# KiCad board frank_pga.kicad_pcb (continued)
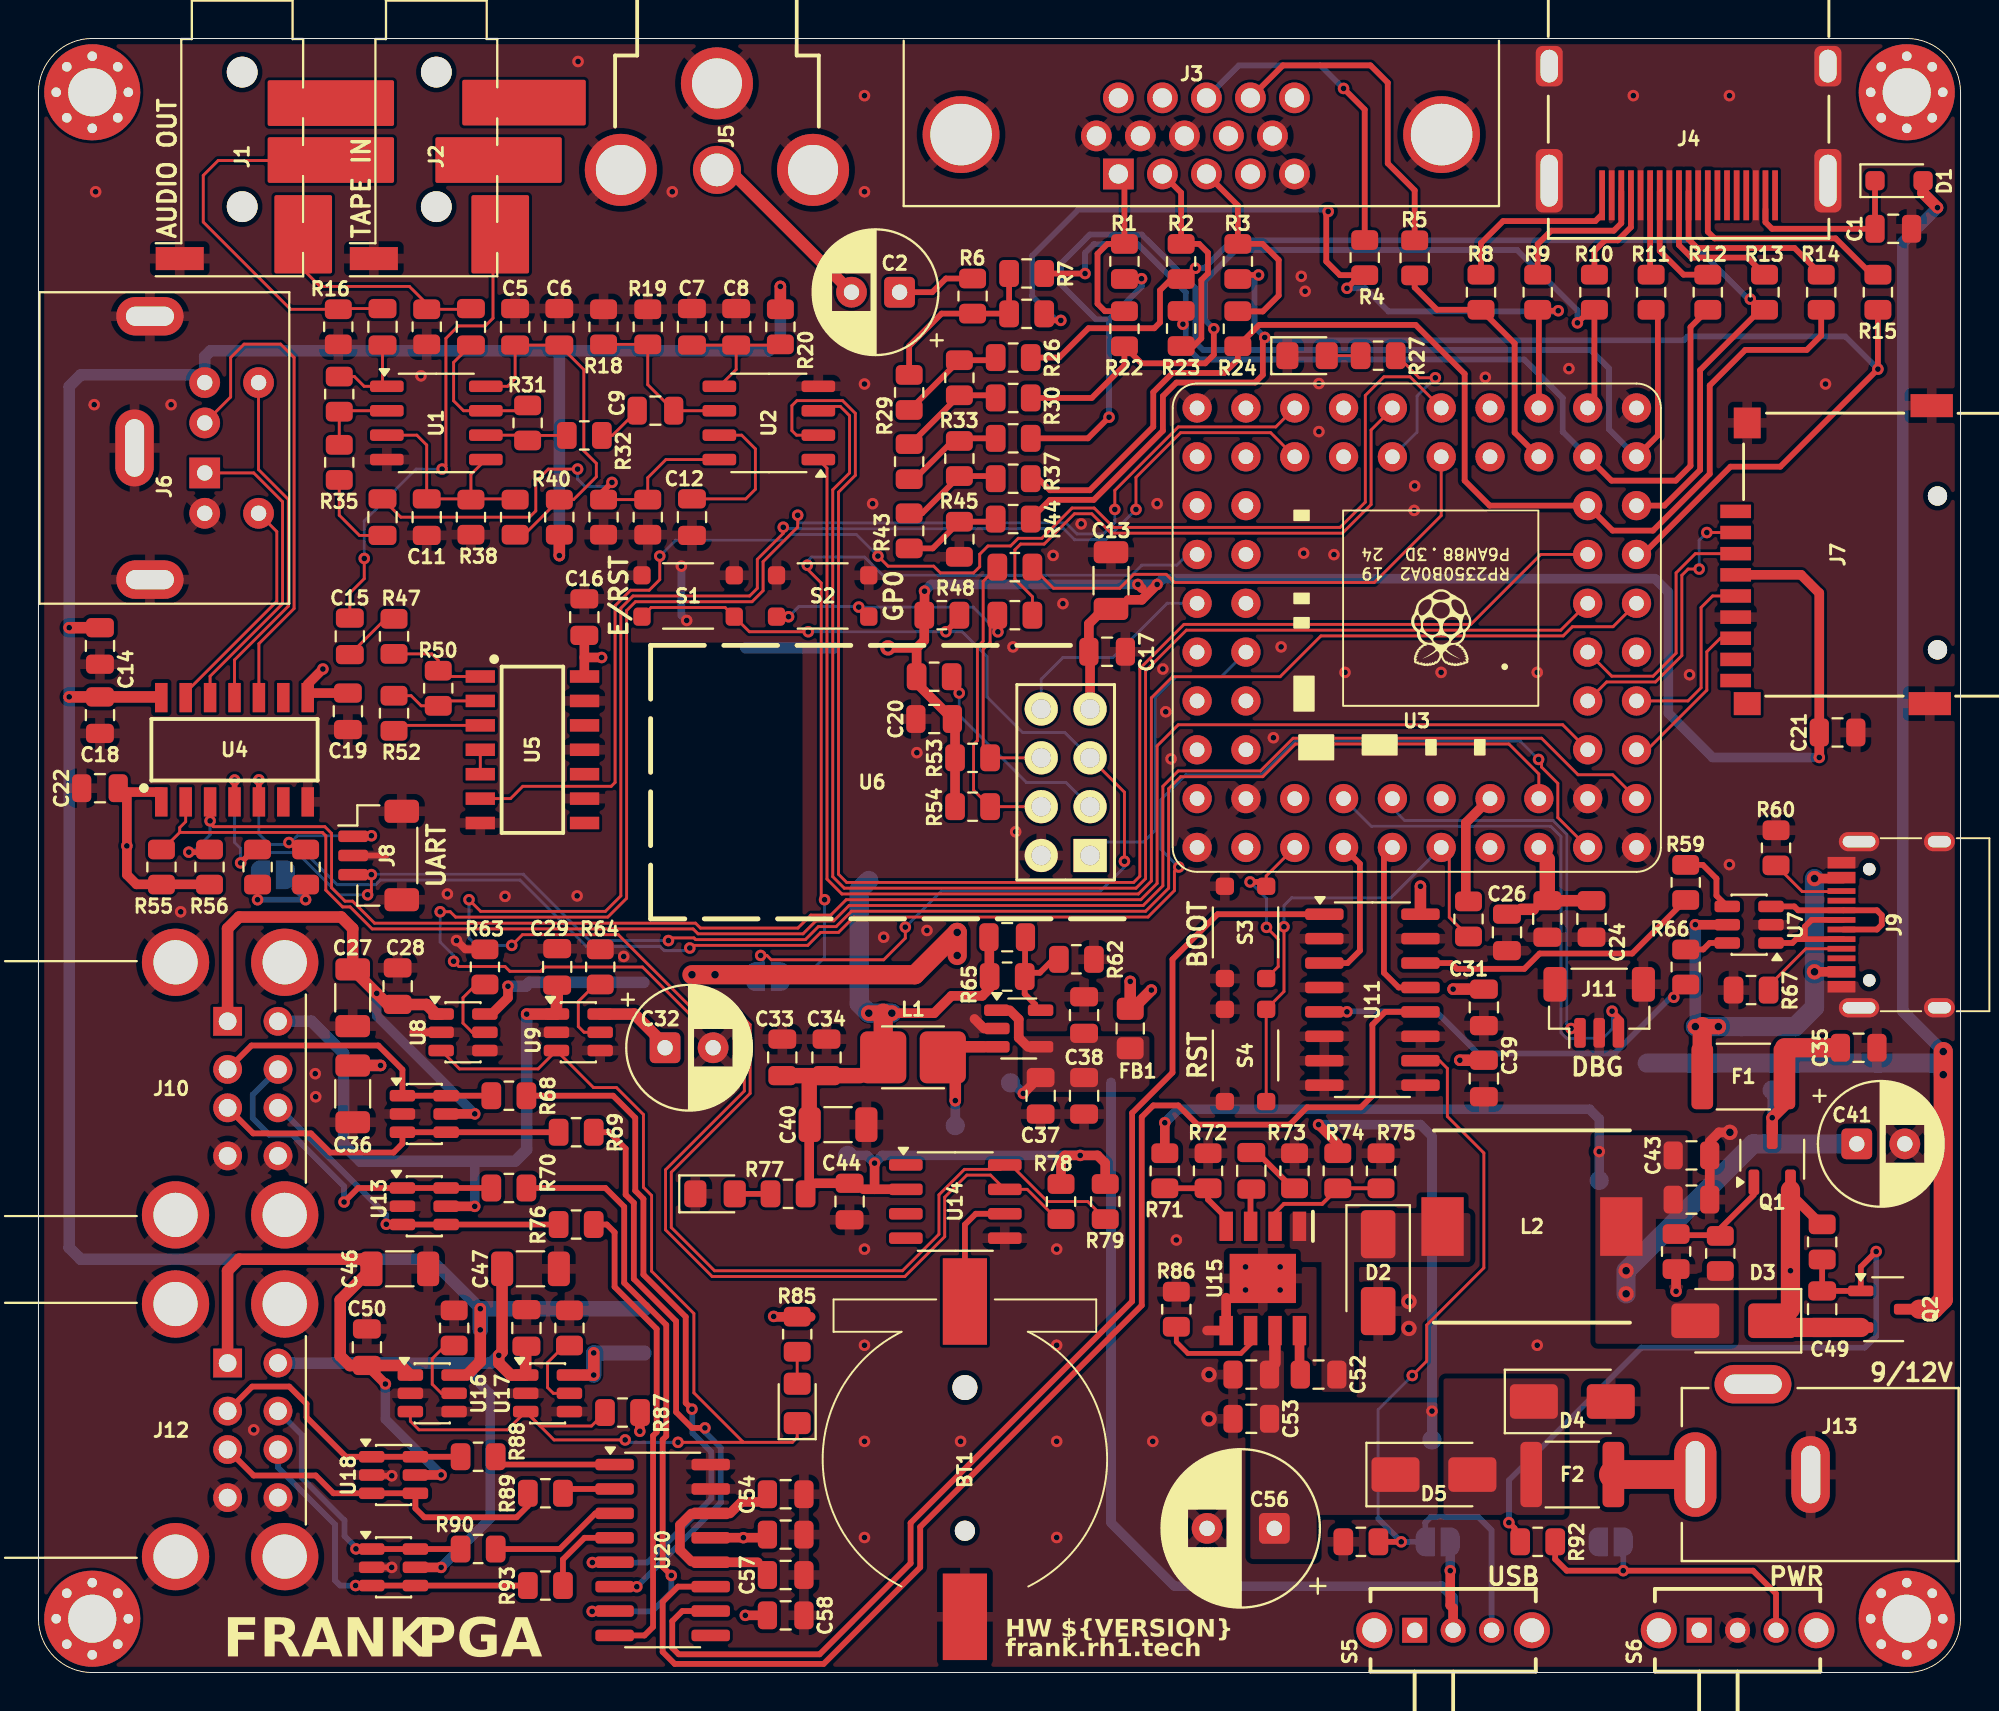
[diagram p0: board, top side]
## Routing (per net, layer and track width the routed paths; a pad name or vN(x,y) marks a point on that pad's centre or on a via; arc(x,y) is an arc through that point) (continued)
/USB-A/UA3_DP: length 19
  Top w0.3: R69.2 U12.4 U12.3 18.94,27.51 18.48,27.05 15.17,27.05 14.18,28.04 11.17,28.04 J10.3
/USB-A/UA4_DM: length 18.1
  Top w0.3: v1(15.9,24.47) 16.63,25.2 U13.1 R70.2
  Bottom w0.3: v1(15.9,24.47) 15.9,25.29 13.22,27.98 12.01,27.98 11.15,28.83 11.15,30.06 J10.6
/USB-A/UA4_DP: length 16.5
  Top w0.3: U13.3 U13.4 R76.2
  Bottom w0.3: v1(18.1,23.32) 18.1,23.8 12.52,29.38
/USB-A/UA_ISET1: length 3.6
  Top w0.15: 21.17,17.01 20.49,16.32 20.49,15 20.96,14.53 U16.5
/USB-A/UA_ISET2: length 3.8
  Top w0.15: 27.38,17.01 26.49,16.12 26.49,14.82 26.79,14.53 U17.5
/USB-A/UA_ISET3: length 3.6
  Top w0.15: U8.5 22.56,33.31 22.09,33.78 22.09,35.11 22.78,35.79
/USB-A/UA_ISET4: length 3.8
  Top w0.15: U9.5 28.39,33.31 28.09,33.61 28.09,34.91 28.98,35.79
/USB-A/USB_OC: length 59.3
  Top w0.15: U8.3 21.91,31.4 26,31.4 U9.3 28.88,30.43 30.07,30.43 31.48,29.03 31.48,25.24 31.9,24.82 31.9,20.88 34.1,18.68 34.1,14.55 36.62,12.03 36.62,11.97 ; U17.3 24.4,12.62 19.8,12.62 19.35,13.07 U16.3 ; U17.3 26.83,12.1 v1(30.53,12.1) ; U17.3 26.1,12.82 28.78,12.82 R87.2 ; v1(33.28,11.97) 39.23,11.97 39.48,12.22 LD3.1
  Bottom w0.15: v1(33.28,11.97) 30.65,11.97 v1(30.53,12.1)
/USB/UC_CC1: length 4.7
  Top w0.15: 90.01,35.71 91.95,37.65 93.91,37.65
/USB/UC_CC2: length 4
  Top w0.15: R60.1 91.76,40.62 93.88,40.62
/USB/UC_DM: length 19.1
  Bottom w0.3: v1(85.08,35.12) 84.92,35.12 82,32.2 74.9,32.2 72.7,34.4 68.1,34.4 68.08,34.38 v1(68.08,34.37)
/USB/UC_DM_C: length 6.7
  Top w0.3: 91.9,38.15 91.9,38.8 92.25,39.15 93.91,39.15 ; 91.9,38.15 93.91,38.15 ; 91.9,38.15 91.45,38.15 91.25,37.95 U7.1
/USB/UC_DM_E: length 2.3
  Top w0.3: R66.2 86.61,37.61 86.95,37.95 U7.6
/USB/UC_DP: length 15.4
  Top w0.3: R59.1 82.91,37.4 78.1,37.4 77.31,36.61 73.79,36.61 73.49,36.91 U11.14
/USB/UC_DP_C: length 8.5
  Top w0.3: U7.3 91.35,39.85 91.55,39.65 95.65,39.65 95.9,39.4 95.9,38.9 95.65,38.65 93.91,38.65
/USB/UC_DP_E: length 3.6
  Top w0.3: U7.4 87.3,40.41 87.3,41.3 86.59,42.01 R59.2
/USB/USB_MODE: length 42.3
  Top w0.15: U11.10 72.9,31.83 73.3,31.42 73.3,28.92 75.2,27.03 75.2,21.05 72.23,18.08 72.23,16.2 v1(71.48,15.45)
  Top w0.3: R91.1 v1(70.9,6.8)
  Bottom w0.15: 69.7,8 69.7,13.68 v1(71.48,15.45)
  Bottom w0.3: S5.3 75.6,7.4 74.9,8.1 72.45,8.1 72.15,7.8 JP3.2 v1(70.9,6.8) 69.7,8
Net-(BT1-+): length 6.3
  Top w0.3: BT1.1 48.2,23.3 48.77,23.86 U14.6
Net-(C2-Pad1): length 4.1
  Top w0.3: C2.1 46.5,71.8 47.21,72.51 R6.2
Net-(C3-Pad1): length 4.6
  Top w0.15: U1.1 16.95,66.91 16.44,67.41 R28.1 ; C3.1 17.9,67.13
Net-(C4-Pad1): length 7.1
  Top w0.15: C4.1 21.6,68.15 21.6,66.15 22.12,65.64 U1.7 25.17,65.64
Net-(C9-Pad2): length 2.4
  Top w0.15: R32.2 29.86,64.35 C9.2
Net-(C10-Pad2): length 4.5
  Top w0.15: C10.2 16.7,59.15 15.65,60.2 R35.2
Net-(C15-Pad1): length 2.6
  Top w0.15: C15.1 18.06,54.81
Net-(C42-Pad2): length 2.6
  Top w0.3: 63.4,27.05 65.26,25.19
Net-(D1-K): length 9
  Top w0.3: D1.1 C1.1 90.19,75.1 89.85,75.44 89.85,76.1
Net-(F2-Pad1): length 4.3
  Top w1.5: 81.94,10.3 J13.1
Net-(J3-Pad1): length 9.1
  Top w0.3: 56.5,77.64 R1.2 55.61,74.31 55.1,73.8 55.1,71.2 55.49,70.81 R22.2
Net-(J3-Pad2): length 11.4
  Top w0.3: J3.2 59.45,76.97 R2.2 60.39,74.31 60.85,73.85 60.85,72.78 60.5,72.43 60.5,69.4 60.1,69 R23.2
Net-(J3-Pad3): length 11.1
  Top w0.3: 60.77,77.95 62.4,76.31 R3.2 63.69,74.31 64.52,73.47 64.52,71.62 63.7,70.8 62.41,70.8
Net-(J3-Pad13): length 16.7
  Top w0.3: R4.1 69,81.3 v1(67.9,82.4)
  Bottom w0.3: v1(67.9,82.4) 66.7,83.6 62.45,83.6 60.77,81.91
Net-(J3-Pad14): length 17
  Top w0.3: J3.14 64.74,83.6 69.3,83.6 70.2,82.7 70.2,78.5 71.6,77.1 R5.1
Net-(J4-CLKN): length 11.6
  Top w0.3: 86.85,77.04 86.85,74.95 87.2,74.6 93.5,74.6 95.39,72.71
Net-(J4-CLKP): length 10.2
  Top w0.3: R14.1 91.36,74.1 86.3,74.1 85.85,74.55 85.85,77.04
Net-(J4-D0N): length 7.9
  Top w0.3: 85.35,77.04 85.35,74.25 86,73.6 88.91,73.6 R13.1
Net-(J4-D0P): length 6.1
  Top w0.3: 84.35,77.04 84.35,73.95 85.59,72.71 R12.1
Net-(J4-D1N): length 4.3
  Top w0.3: 83.85,77.04 83.85,72.76
Net-(J4-D1P): length 5.5
  Top w0.3: 82.85,77.04 82.85,75.18 82.17,74.5 81.5,74.5 80.95,73.95 R10.1
Net-(J4-D2N): length 8
  Top w0.3: R9.1 78,74.3 78.7,75 81.96,75 82.35,75.39 82.35,77.04
Net-(J4-D2P): length 8.6
  Top w0.3: R8.1 75.05,74.35 76.2,75.5 81,75.5 81.35,75.85
Net-(JP4-B): length 15.6
  Top w0.3: 90.4,2.85 90.4,4.1 89.2,5.3 v1(82.45,5.3) 79.51,5.3 78.91,5.9 78.91,6.5
  Bottom w0.3: v1(82.45,5.3) JP4.2
Net-(LD2-A): length 1.9
  Top w0.3: LD2.2 R77.2
Net-(Q1-G): length 4.8
  Top w0.3: 89.25,24.85 87.5,23.1 ; 85.2,22.75 87.5,22.75
Net-(Q2-G): length 35.4
  Top w0.3: v1(76.5,7.8) 76.8,7.5 76.8,7.1 ; 94.81,20.1 94.81,21.1 v1(95.61,21.9) ; 92.8,21.5 C49.2 94.81,19.85
  Bottom w0.3: v1(95.61,21.9) 95.61,17.5 95.01,16.9 83.4,16.9 76.5,10 v1(76.5,7.8)
Net-(R21-Pad2): length 9.5
  Top w0.3: 50.49,70.69 R6.1 46.99,70.69 45.3,69 R29.2 ; R21.2 R7.2
Net-(R25-Pad1): length 5.3
  Top w0.3: 49.66,66.44 R25.1 45.38,63.9
Net-(R25-Pad2): length 5.4
  Top w0.3: 49.66,68.26 R25.2 45.33,65.67
Net-(R33-Pad1): length 5.2
  Top w0.3: R43.2 45.98,60.3 R33.1 49.66,62.24
Net-(R33-Pad2): length 4.6
  Top w0.3: R34.2 48.05,64.2 ; 45.58,62.08 47.56,64.06
Net-(R43-Pad1): length 4.9
  Top w0.3: R43.1 46.53,58.47 R45.2 49.66,59.86
Net-(U1A-+): length 12.1
  Top w0.15: R38.2 22.5,62.32 U1.5 ; 24.76,61.05 C11.2 20.2,63.85 19.69,64.36 U1.3
Net-(U1A--): length 4.2
  Top w0.15: U1.2 15.7,65.64 ; R28.2 R35.1
Net-(U1B--): length 3.7
  Top w0.15: R32.1 25.71,64.35 ; U1.6 25.17,64.36
Net-(U1C-V+): length 18.4
  Top w0.15: 25.28,59.19 R40.2 27.84,61.01 29.03,62.2 29.03,62.9 28.38,63.55 28.38,67.78 C6.1 C5.2 24.8,67.3 24.41,66.91 U1.8
Net-(U2-FLT): length 7.8
  Top w0.15: U2.7 36.59,64.36 37.3,63.65 37.3,61.55 36.8,61.05 C12.1
Net-(U2-VA): length 7.1
  Top w0.15: U2.5 36.3,67.78 C8.1 ; C7.1 38.56,69.05
Net-(U5-A): length 4.9
  Top w0.15: R50.2 20.8,52.65 20.46,52.99 R47.1 ; U5.1 21.1,51.81
Net-(U5-B): length 4.2
  Top w0.15: U5.3 18.78,49.27
Net-(U5-C): length 1.3
  Top w0.15: U5.4 U5.5
Net-(U5-G-*A): length 4.5
  Top w0.15: U5.2 21.05,50.54 ; R52.2 19.39,50.81 19.91,50.29 R50.1
Net-(U10-LX): length 3.2
  Top w0.6: 49.2,32.55 48.25,32.55 ; 47.7,30.65 v1(47.7,29.75)
  Bottom w0.5: v1(47.7,29.75) TP5.1
Net-(U15-BST): length 1.3
  Top w0.5: 65.61,17.2 65.61,15.9
Net-(U15-COMP): length 1.9
  Top w0.3: 63.06,25.15 63.06,23.21
Net-(U15-EN): length 6.7
  Top w0.2: 69.85,25.19 67.6,25.19 66.79,24.38 64.8,24.38 64.34,23.92 64.34,23.21
Net-(U15-FB): length 4.2
  Top w0.3: 61.79,23.66 60.85,24.6 60.85,25.19 58.6,25.19
Net-(U15-FREQ): length 5.8
  Top w0.25: 63.06,17.79 63.06,17.1 62.56,16.6 59.8,16.6 59.2,17.2 59.2,17.98

## Copper pours and planes (outline as drawn; the poured copper is in the pictures)
+3V3 on Bottom: 2.6,55.1 8.2,55.1 8.2,56.8 38.6,56.8 38.6,40.9 2.6,40.9
+3V3 on Bottom: 39.7,53.9 44.6,53.9 44.6,40.9 39.7,40.9
+5V_DC on Top: 81,27.95 85.8,27.95 85.8,23.6 84.15,23.6 84.15,19.95 86.35,19.95 86.35,20.55 88.2,20.55 88.2,17.1 81,17.1
/Power/+5V_BUCK on Top: 51.2,33.1 57.8,33.1 57.8,30.2 51.2,30.2
/Power/VIN_PROT on Top: 63.05,16.75 64.8,16.75 64.8,14.05 72.8,14.05 72.8,8.2 66.5,8.2 66.5,5.9 63.05,5.9
GND on Top: -0.02,85.03 100.02,85.03 100.02,-0.03 -0.02,-0.03
GND on Bottom: -0.02,85.03 100.02,85.03 100.02,-0.03 -0.02,-0.03
VBUS on Bottom: 47,41.5 50.5,41.5 50.5,40.6 56.8,40.6 56.8,41.5 76.8,41.5 76.8,44.1 79.3,44.1 79.3,41.5 84.2,41.5 84.2,30.2 47,30.2
VBUS on Bottom: 31,36.9 39.4,36.9 39.4,0.9 31,0.9
/Power/DC_FUSED on Top: 73.1,15.3 79.4,15.3 79.4,8.2 73.1,8.2
Net-(D2-K) on Top: 65.1,23.9 74.5,23.9 74.5,21.35 68.45,21.35 68.45,14.6 66.75,14.6 66.75,21.35 65.1,21.35

## Text on the board
F.Silkscreen: DBG | USB | PWR | 9/12V | AUDIO OUT | TAPE IN | UART | E/RST | GP0 | BOOT | RST | FRANK | HW ${VERSION} | frank.rh1.tech | PGA
